# Altium PCB PCB1.PcbDoc (part 1 of 2)
Units mm, origin at the board's own origin, x right, y up, seen from the top; angles counter-clockwise.
Board outline 100.02 x 88.6 mm, 2 copper layers (Top Layer, Bottom Layer); 204 components, 155 nets, 587 pads, 167 vias.
Unrouted connection lines stored in the file: 67.
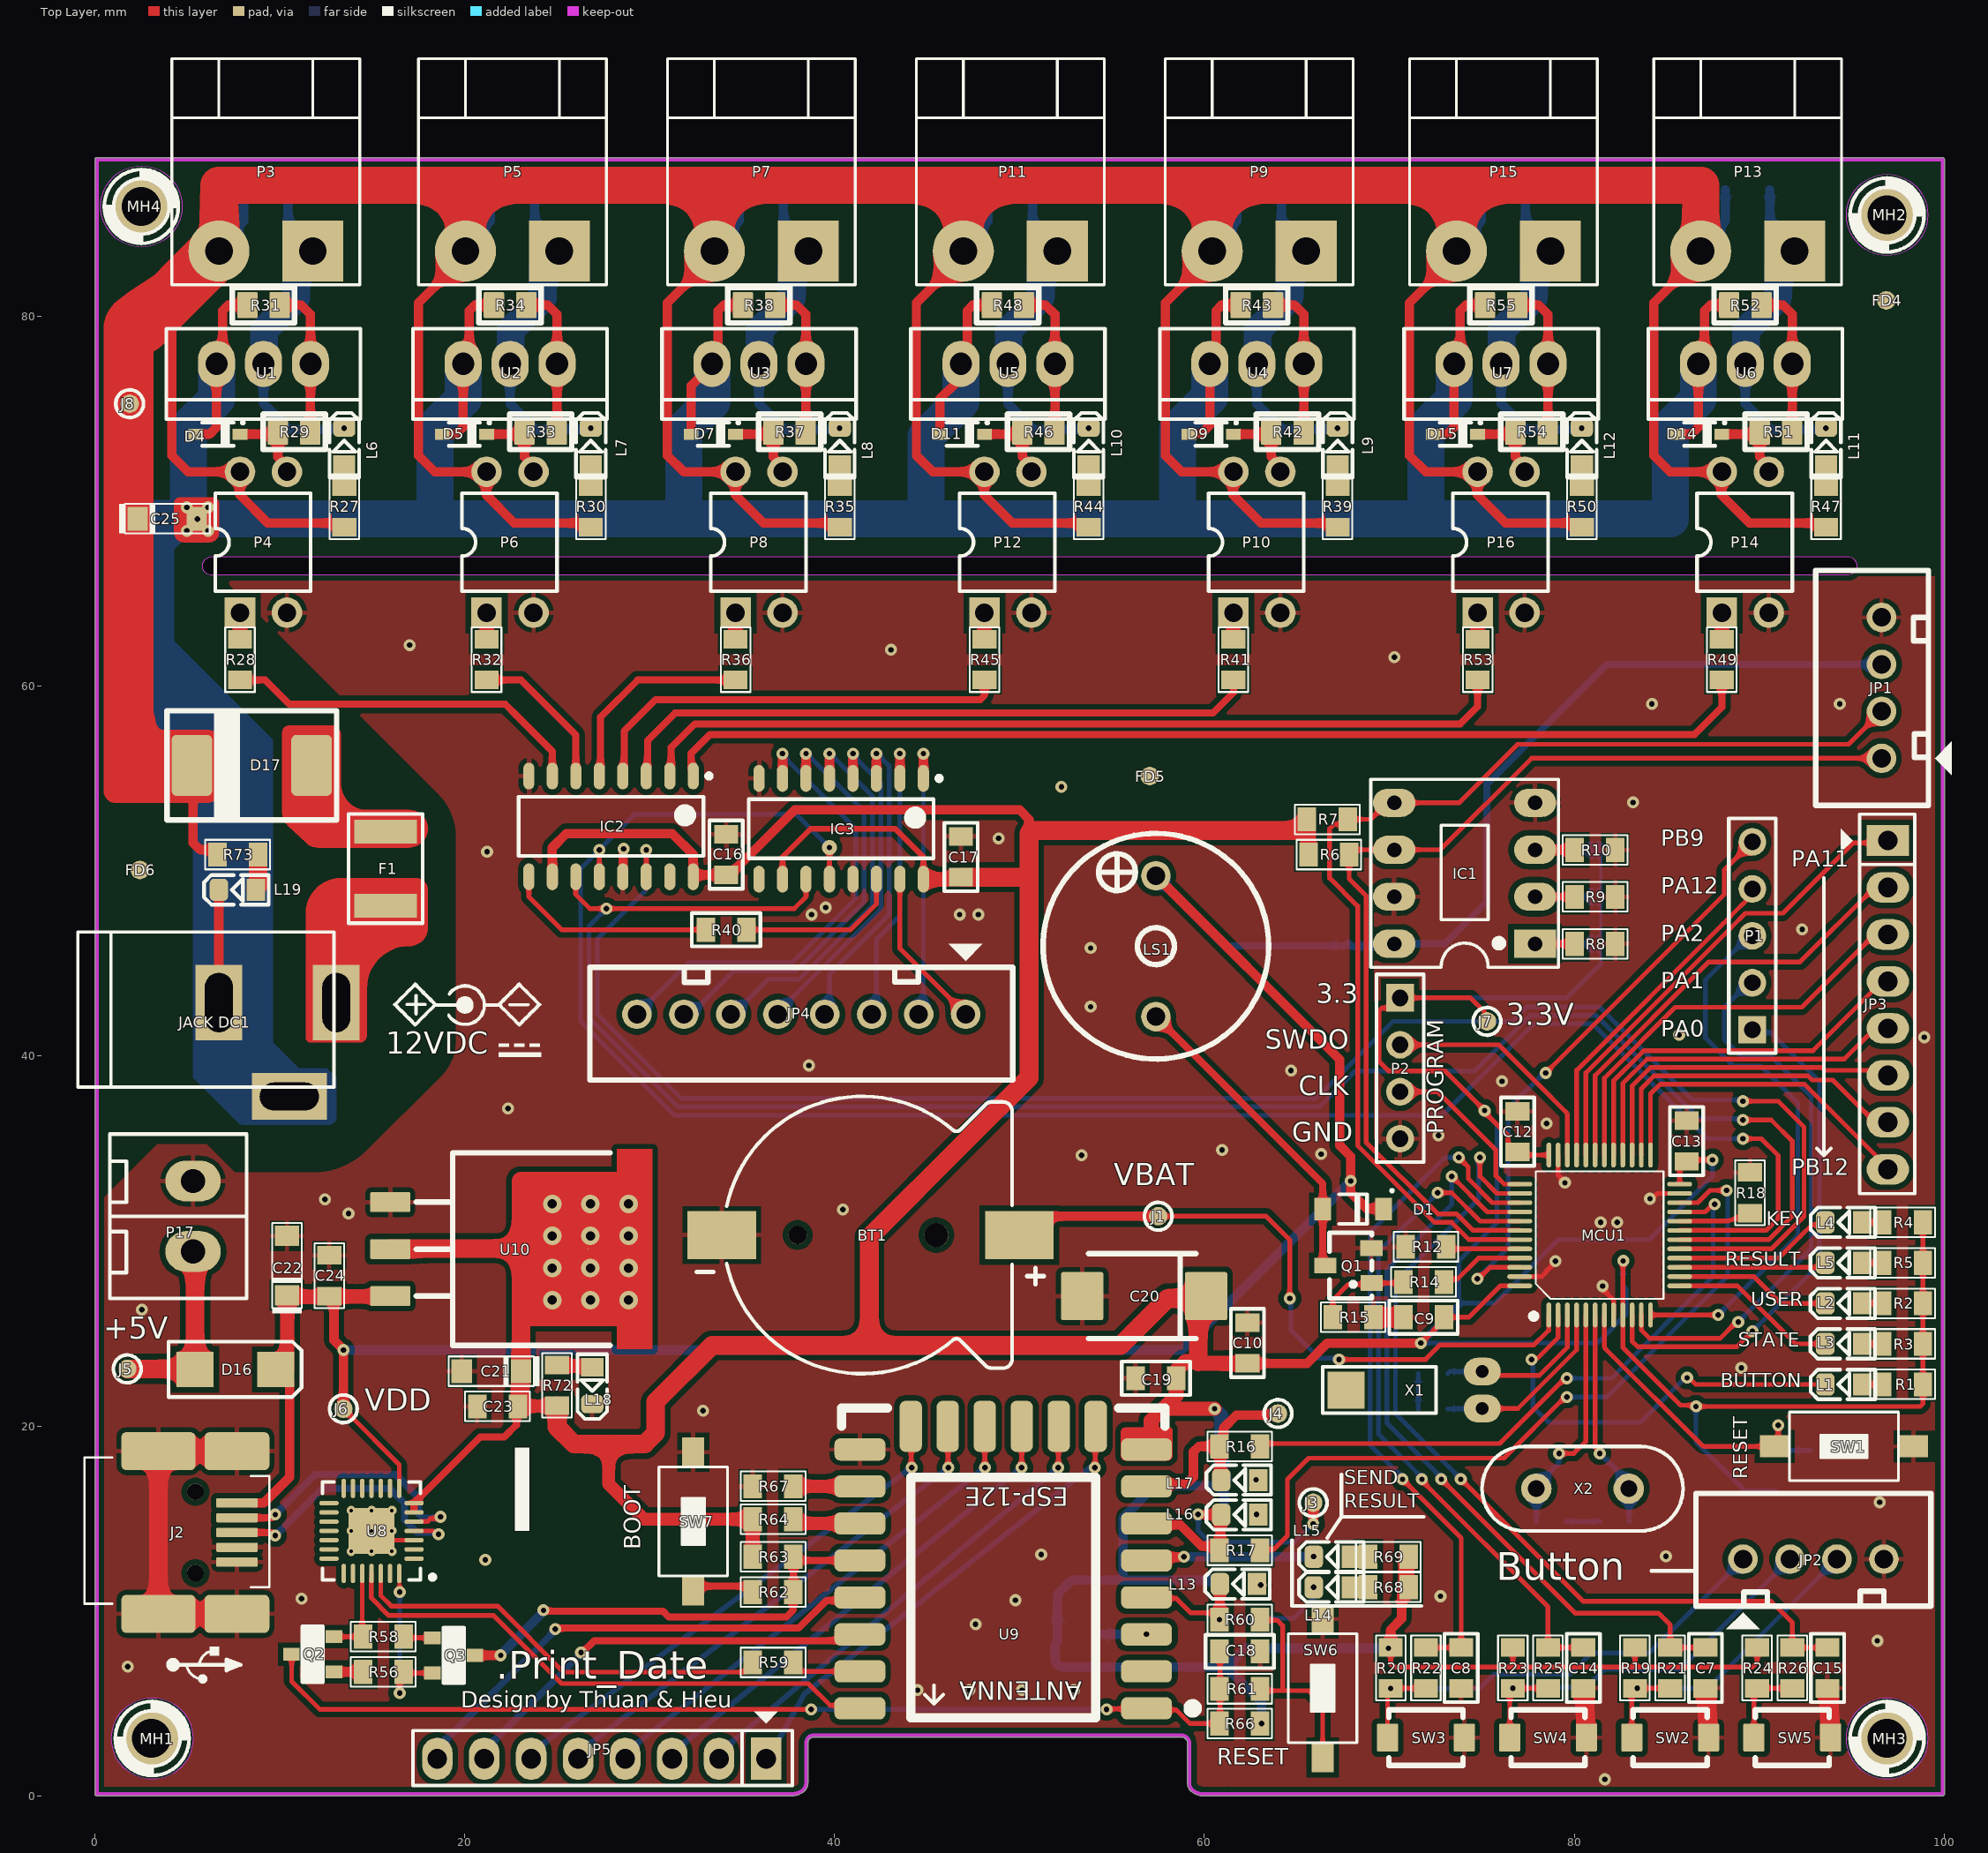
[diagram p0: Top Layer view]
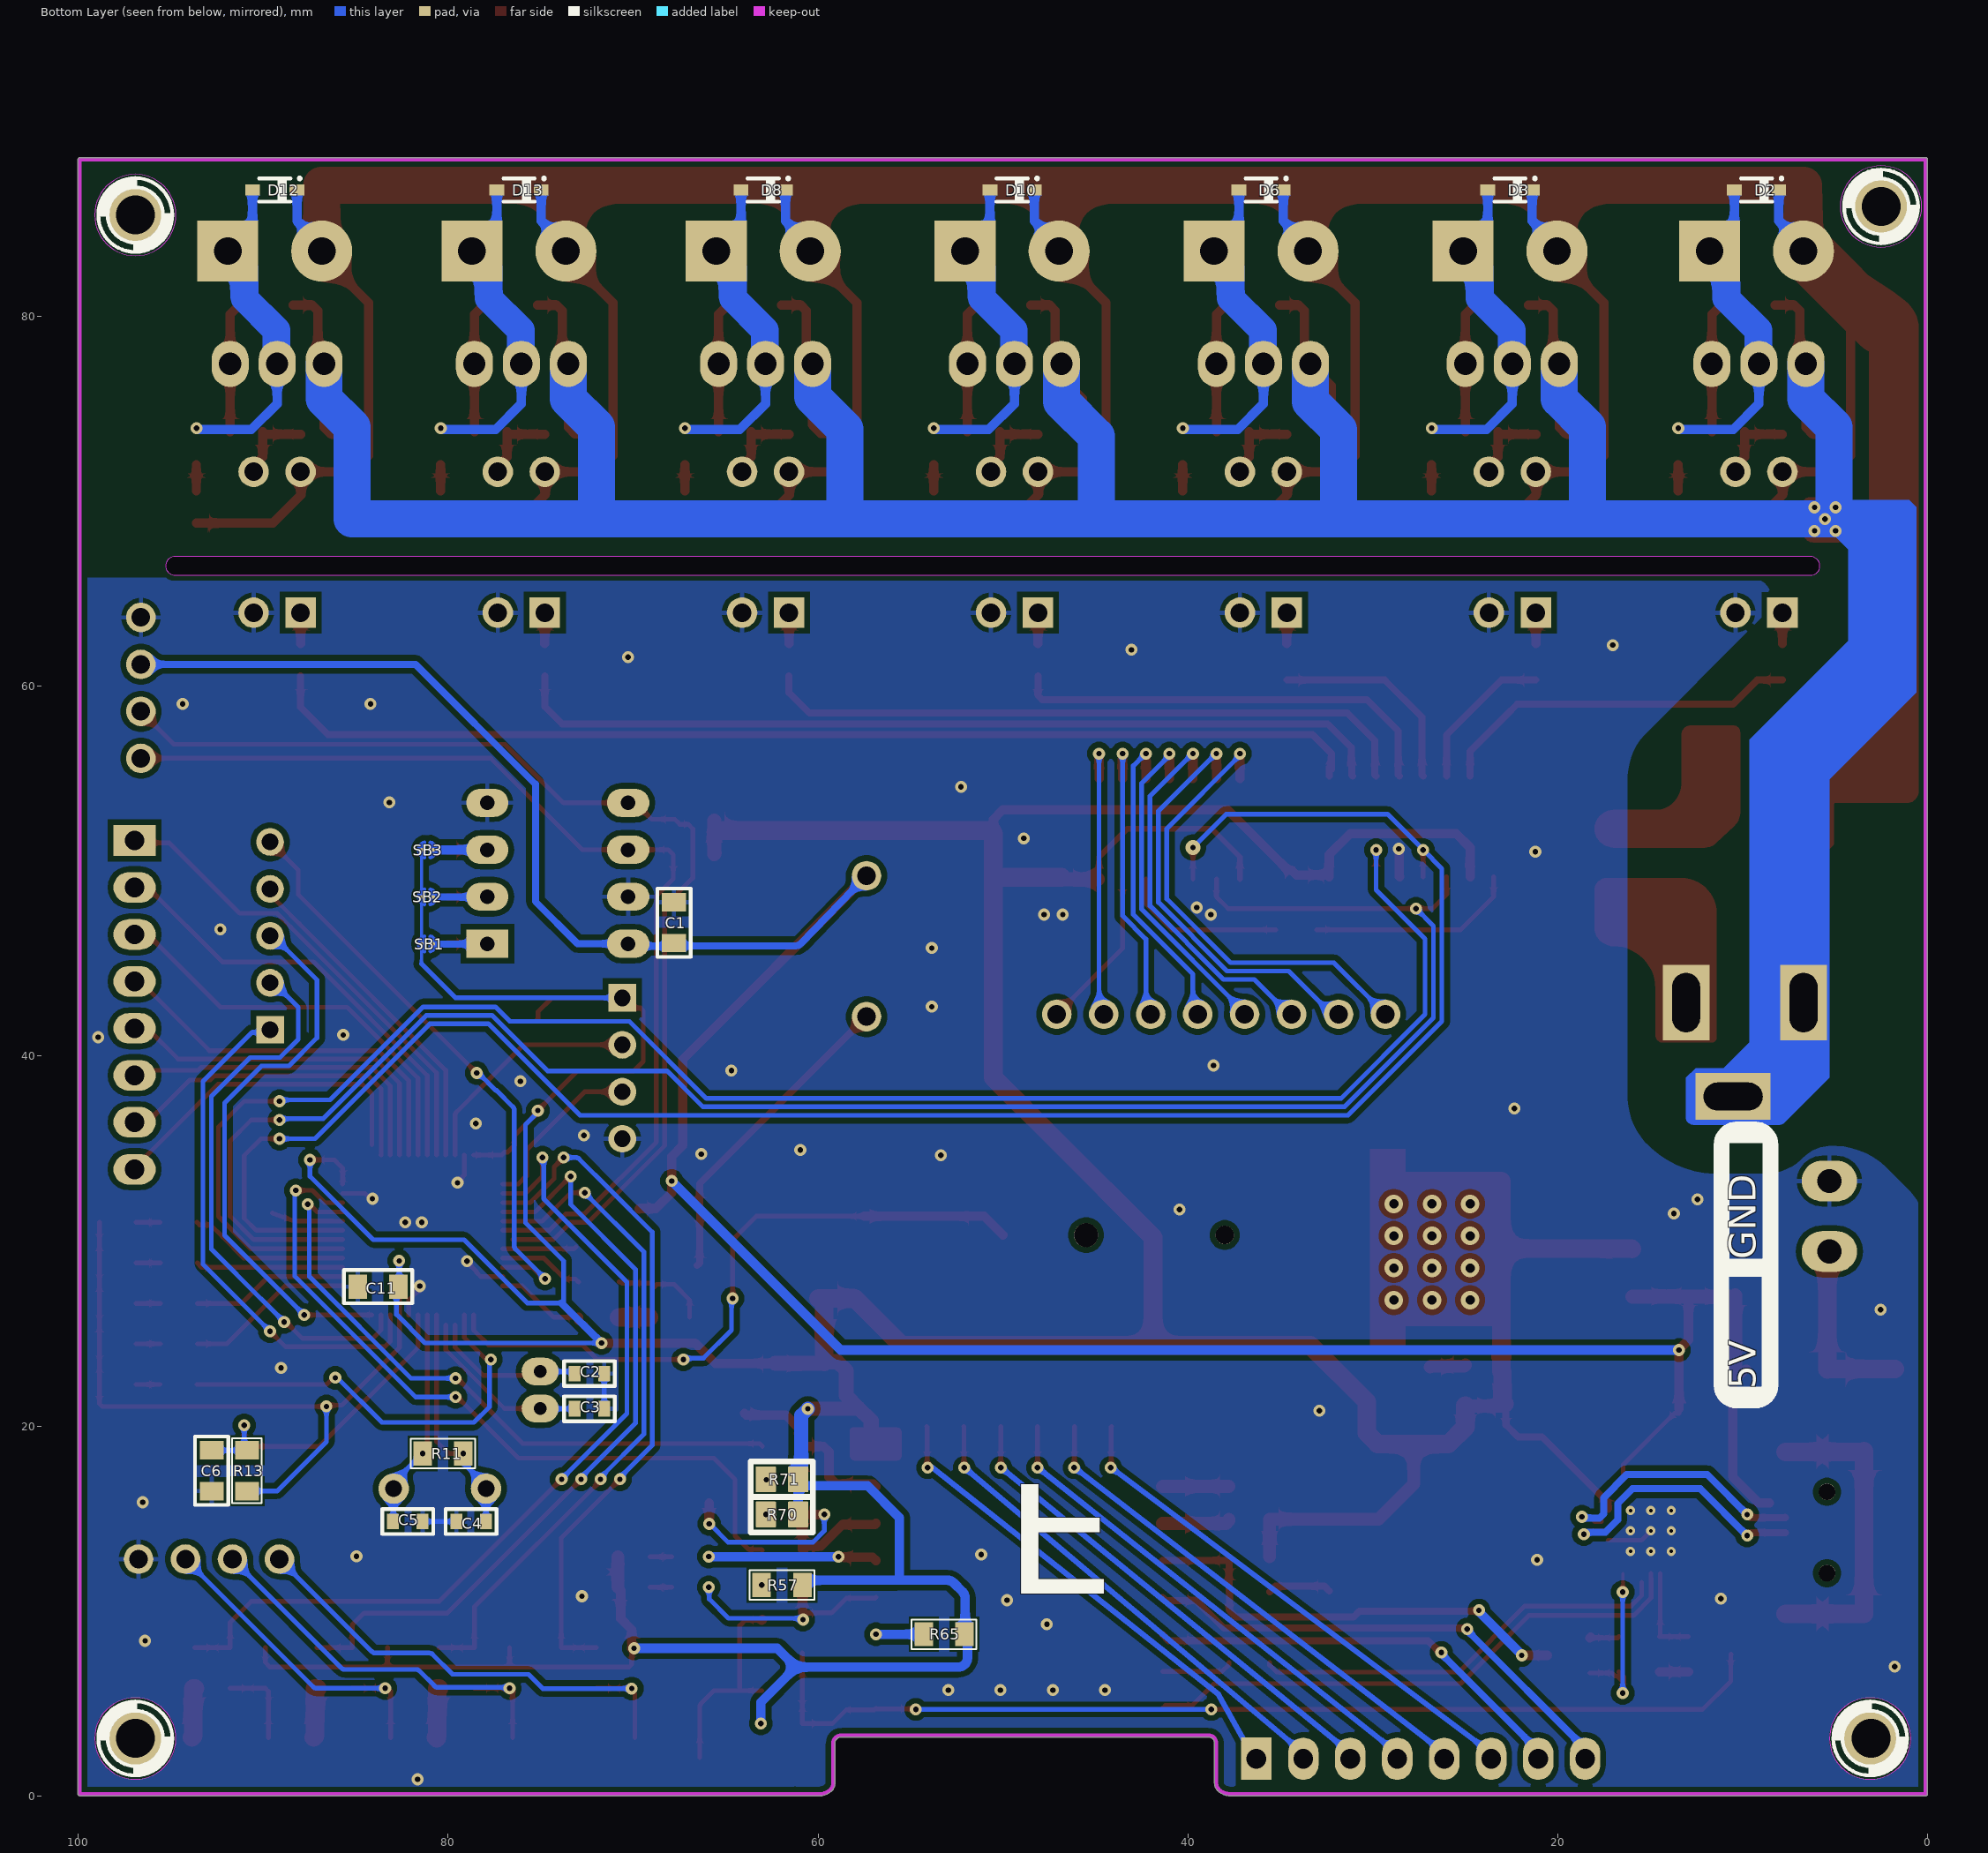
[diagram p1: Bottom Layer view, seen from below]
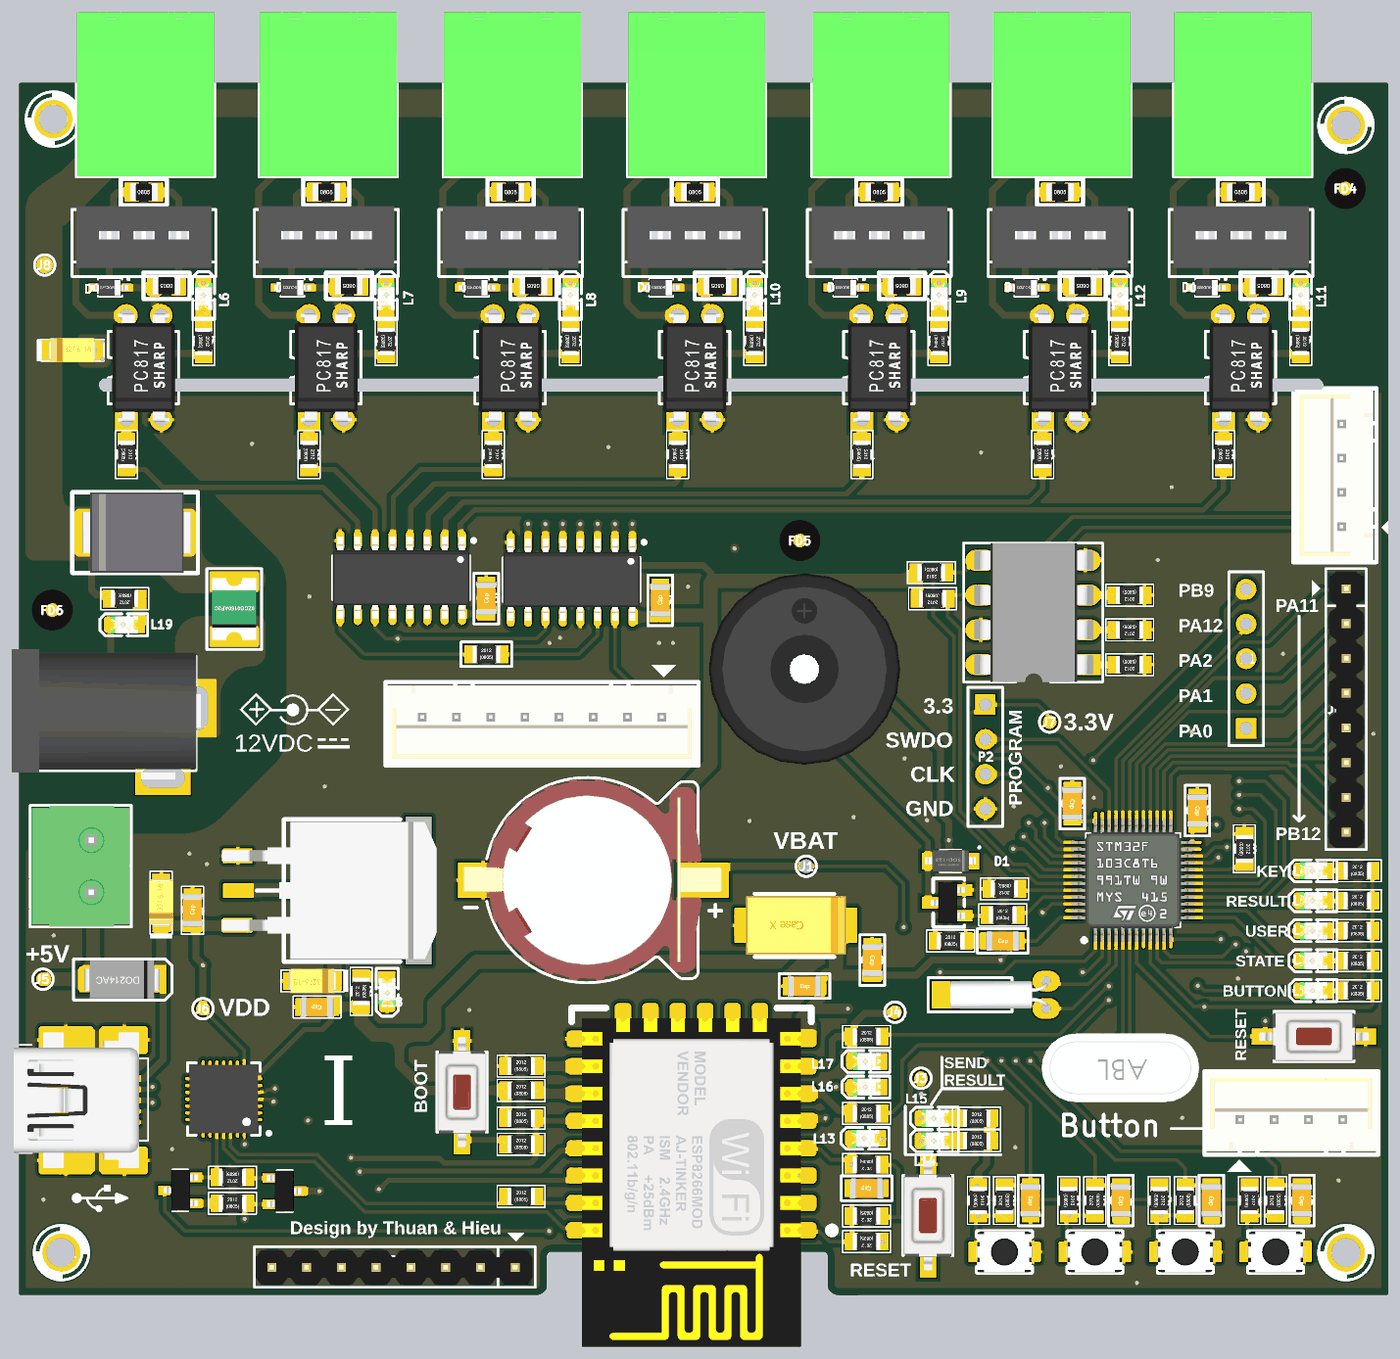
[diagram p3: 3D render of the assembled board from above, using the file's embedded part models]
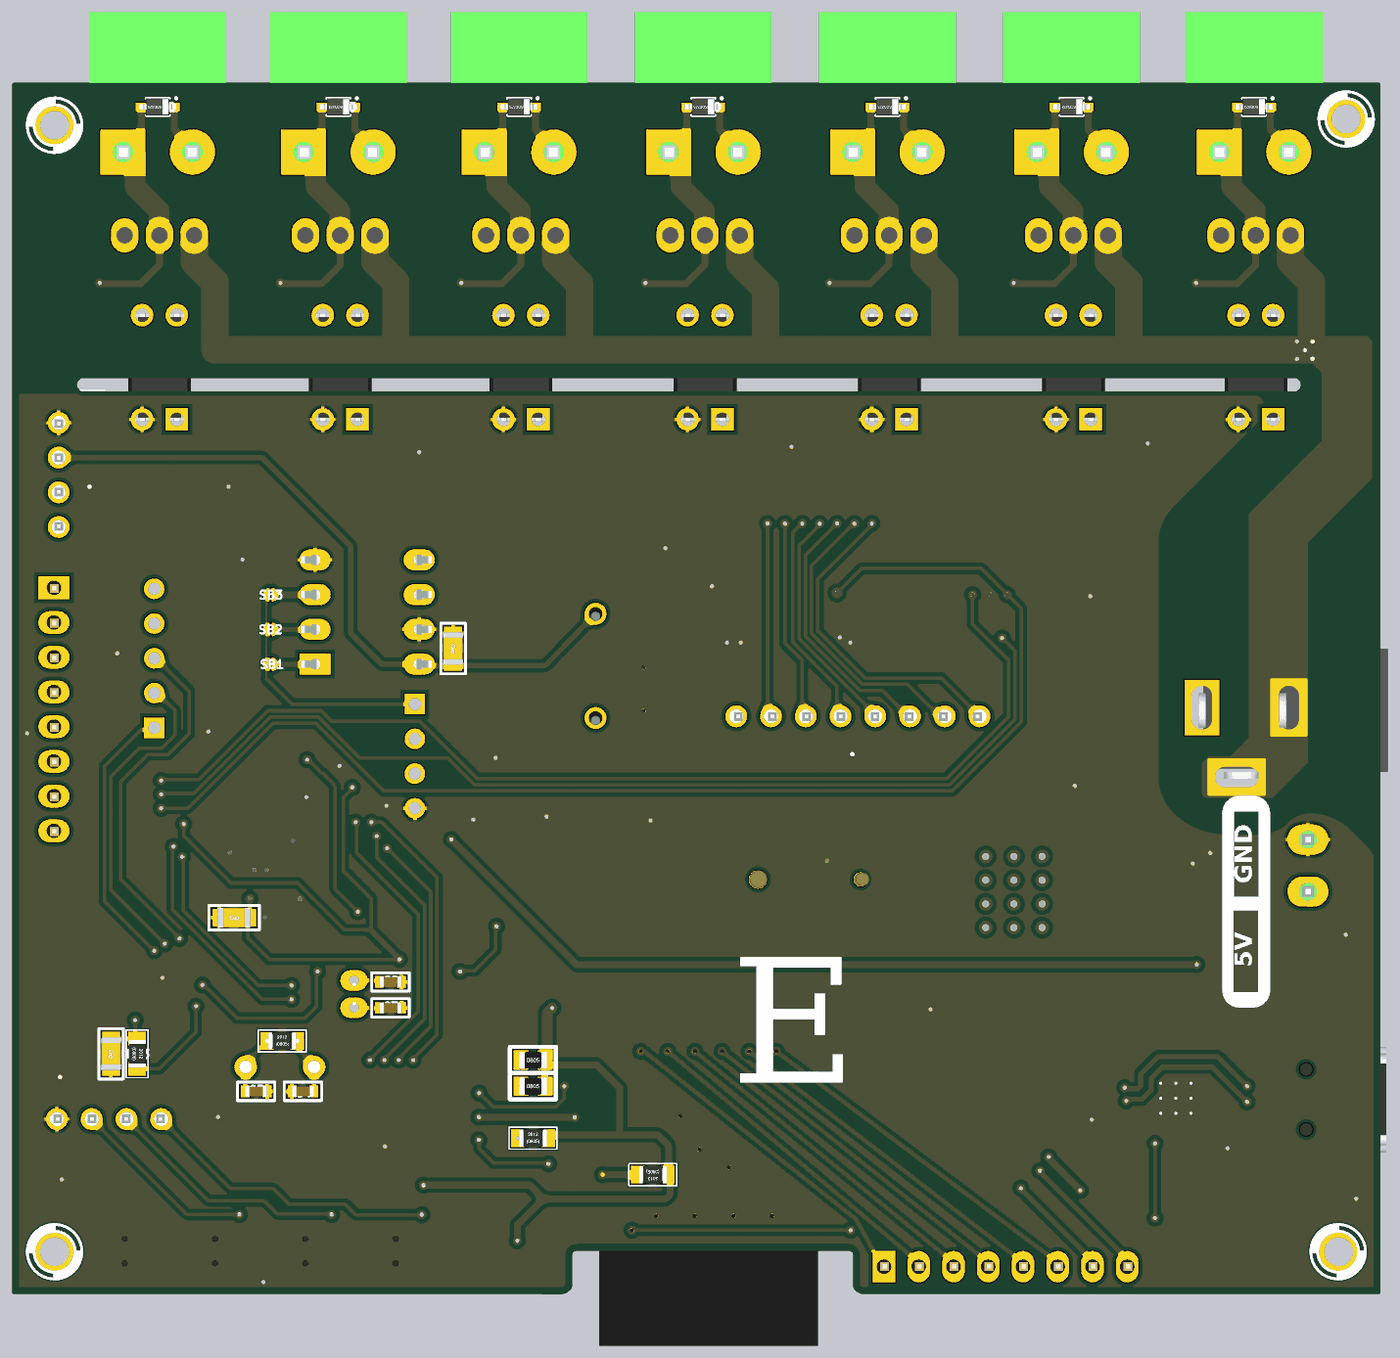
[diagram p4: 3D render of the assembled board from below, using the file's embedded part models]

## Layer stack, top to bottom
Top Solder: solder mask 0.0102, Solder Resist, Dk 3.5
Top Layer: signal copper 0.0356
Dielectric 1: dielectric 0.32, FR-4, Dk 4.8
Bottom Layer: signal copper 0.0356
Bottom Solder: solder mask 0.0102, Solder Resist, Dk 3.5

## Board outline
0,0.1 ccw(c0.1,0.1) 0.1,0 37.714,0 ccw(c37.714,0.968) 38.398,0.283 ccw(c38.02,0.661) 38.554,0.661 38.554,2.842 cw(c38.888,2.842) 38.652,3.077 cw(c38.888,2.842) 38.888,3.175 58.691,3.175 58.757,3.169 cw(c58.757,2.836) 58.993,3.071 cw(c58.757,2.836) 59.09,2.836 59.09,0.655 ccw(c59.624,0.655) 59.247,0.277 ccw(c59.931,0.962) 59.931,-0.006 61.278,-0.006 61.315,0 99.922,0 ccw(c99.922,0.1) 100.022,0.1 100.022,88.492 ccw(c99.922,88.492) 99.922,88.593 0.1,88.593 ccw(c0.1,88.492) 0,88.492
cut-out: 6.323,66.013 cw(c6.323,66.514) 6.323,67.014 94.779,67.014 cw(c94.779,66.514) 95.279,66.514 cw(c94.779,66.514) 94.779,66.013

## Design rules (kind name [scope] priority, off if disabled: settings)
Clearance clear_GND [InPolygon] p1: gap=0.3 ignorepadtopadclearanceinfootprint=FALSE
Clearance [All] p2: gap=0.254 ignorepadtopadclearanceinfootprint=TRUE except(0.2: Arc-Arc Arc-Track Arc-SMDPad Track-Track Track-SMDPad SMDPad-SMDPad)
DiffPairsRouting [All] p1: maxlimit=0.381 minlimit=0.381 mostfreqgap=0.381 toplayer_minwidth=0.152 toplayer_maxwidth=2.54 toplayer_prefwidth=0.152 bottomlayer_minwidth=0.152 bottomlayer_maxwidth=2.54 bottomlayer_prefwidth=0.152 maxuncoupledlength=12.7
PasteMaskExpansion [All] p1: expansion=-2539.975 usepaste=FALSE
PolygonConnect [All] p1: thpad.connectstyle=Relief thpad.reliefconductorwidth=0.254 thpad.reliefentries=4 thpad.polygonreliefangle="90 Angle" thpad.airgapwidth=0.254 smdpad.connectstyle=Relief smdpad.reliefconductorwidth=0.254 smdpad.reliefentries=4 smdpad.polygonreliefangle="90 Angle" smdpad.airgapwidth=0.254 via.connectstyle=Direct via.reliefconductorwidth=0.254 via.reliefentries=4 via.polygonreliefangle="90 Angle" via.airgapwidth=0.254
RoutingVias [All] p1: holewidth=0.305 width=0.61 viastyle="Through Hole" minholewidth=0.305 minwidth=0.61 maxholewidth=0.305 maxwidth=0.61
SilkToSolderMaskClearance [IsPad] p1: minsilkscreentomaskgap=0.254 clearancetoexposedcopper=FALSE
SolderMaskExpansion [All] p1: expansion=0.102 istentingtop=FALSE useseparateexpansions=TRUE expansionbottom=0.102 istentingbottom=FALSE
UnRoutedNet [All] p1: checkbadconnections=TRUE
Width [All] p1: maxlimit=3 minlimit=0.152 preferedwidth=0.254 checkconnectedcopper=TRUE
26 further rules are at their usual default settings.

## Classes and differential pairs
net class 7S_[1..8]: 7S_1 7S_2 7S_3 7S_4 7S_5 7S_6 7S_7 7S_8
component class Block_Diagram: C21 C22 C23 C24 C25 D16 D17 F1 J3 J4 J5 J6 J7 J8 "JACK DC1" L16 L17 L18 L19 MH1 MH2 MH3 MH4 P17 R70 R71 R72 R73 U10
net class K[1..8]: K1 K2 K3 K4 K5 K6 K7 K8
component class U_STM32F103C8T6: BT1 Button1 C1 C2 C3 C4 C5 C6 C7 C8 C9 C10 C11 C12 C13 C14 C15 D1 IC1 J1 JP1 JP2 JP3 L1 L2 L3 L4 L5 LS1 MCU1 P1 P2 Q1 R1 R2 R3 R4 R5 R6 R7 R8 R9 R10 R11 R12 R13 R14 R15 R16 R17 R18 R19 R20 R21 R22 R23 R24 R25 R26 SB1 SB2 SB3 SW1 SW2 SW4 X1 X2
component class U_LOAD: C16 C17 D2 D3 D4 D5 D6 D7 D8 D9 D10 D11 D12 D13 D14 D15 IC2 IC3 JP4 L6 L7 L8 L9 L10 L11 L12 P3 P4 P5 P6 P7 P8 P9 P10 P11 P12 P13 P14 P15 P16 R27 R28 R29 R30 R31 R32 R33 R34 R35 R36 R37 R38 R39 R40 R41 R42 R43 R44 R45 R46 R47 R48 R49 R50 R51 R52 R53 R54 R55 U1 U2 U3 U4 U5 U6 U7
component class U_ESP8266: C18 C19 C20 J2 JP5 L13 L14 L15 LED1 Q2 Q3 R56 R57 R58 R59 R60 R61 R62 R63 R64 R65 R66 R67 R68 R69 S1 SW4 SW6 U8 U9 VT1 VT2
differential pair D: +D_P -D_N

## Components (designator, comment, footprint, x,y, rotation, side; value= is the part's Value field where it differs from the comment)
BT1 "Battery" "CR1220_3V BATTERY HOLDER" 41.502,30.326 r0 top
C1 "104-0805" CAP0805 67.791,47.217 r270 bottom
C2 "20pF-0603" CAP0603 72.363,22.833 r0 bottom value=20pF
C3 "20pF-0603" CAP0603 72.363,20.928 r0 bottom value=20pF
C4 "20pF-0603" CAP0603 78.76,14.832 r180 bottom value=20pF
C5 "20pF-0603" CAP0603 82.189,14.832 r0 bottom value=20pF
C6 "105-0805" CAP0805 92.789,17.58 r270 bottom
C7 "105-0805" CAP0805 87.095,6.915 r270 top
C8 "105-0805" CAP0805 73.887,6.915 r270 top
C9 "104-0805" CAP0805 71.855,25.881 r0 top
C10 "104-0805" CAP0805 62.33,24.484 r270 top
C11 "104-0805" CAP0805 83.793,27.532 r180 bottom
C12 "104-0805" CAP0805 76.935,35.914 r270 top
C13 "104-0805" CAP0805 86.079,35.406 r270 top
C14 "105-0805" CAP0805 80.491,6.915 r270 top
C15 "105-0805" CAP0805 93.699,6.915 r270 top
C16 "104-0805" CAP0805 34.136,50.9 r90 top
C17 "104-0805" CAP0805 46.836,50.773 r90 top
C18 "104-0805" CAP0805 61.911,7.807 r180 top
C19 "104-0805" CAP0805 57.377,22.579 r0 top
C20 "100uF/25V/TANTA/2917/10%" "CAP TANT CASE X SMD" 56.742,27.024 r180 top
C21 "10uF-1206" CAP1206_TANTALUM_YELLOW 21.436,22.96 r180 top value=10uF
C22 "10uF-1206" CAP1206_TANTALUM_YELLOW 10.387,28.675 r90 top value=10uF
C23 "Cap" CAPC2012L 21.774,21.055 r180 top value=100pF
C24 "Cap" CAPC2012L 12.673,28.125 r90 top value=100pF
C25 "10uF-1206" CAP1206_TANTALUM_YELLOW 3.91,69.061 r0 top value=10uF
D1 "75V/0.15A" DIO-SOD123-1.35H 68.045,31.723 r0 top
D2 "75V/0.15A" DIO-SOD232-1.15H 9.244,86.841 r180 bottom
D3 "75V/0.15A" DIO-SOD232-1.15H 22.579,86.841 r180 bottom
D4 "75V/0.15A" DIO-SOD232-1.15H 6.647,73.633 r0 top
D5 "75V/0.15A" DIO-SOD232-1.15H 19.982,73.633 r0 top
D6 "75V/0.15A" DIO-SOD232-1.15H 36.041,86.841 r180 bottom
D7 "75V/0.15A" DIO-SOD232-1.15H 33.444,73.633 r0 top
D8 "75V/0.15A" DIO-SOD232-1.15H 62.965,86.841 r180 bottom
D9 "75V/0.15A" DIO-SOD232-1.15H 60.368,73.633 r0 top
D10 "75V/0.15A" DIO-SOD232-1.15H 49.503,86.841 r180 bottom
D11 "75V/0.15A" DIO-SOD232-1.15H 46.906,73.633 r0 top
D12 "75V/0.15A" DIO-SOD232-1.15H 89.381,86.841 r180 bottom
D13 "75V/0.15A" DIO-SOD232-1.15H 76.173,86.841 r180 bottom
D14 "75V/0.15A" DIO-SOD232-1.15H 86.784,73.633 r0 top
D15 "75V/0.15A" DIO-SOD232-1.15H 73.576,73.633 r0 top
D16 "SS14" "DIODE SMD" 7.593,22.96 r180 top
D17 "SS54" DO-214AB/SMC 8.482,55.726 r180 top
F1 "15V 0.5A" FUSE_PTC_SMD1812_02 15.721,50.138 r90 top
FD4 "Fiducial" FIDUCIAL_TOP 96.874,80.872 r0 top
FD5 "Fiducial" FIDUCIAL_TOP 57.042,55.149 r0 top
FD6 "Fiducial" FIDUCIAL_TOP 2.432,50.069 r0 top
IC1 "24C02" DIP8/W0.3 77.886,46.081 r90 top value=24Cxx
IC2 "74HC595" HC595_SOP127P600X175-16N 27.913,52.424 r270 top
IC3 "74HC595" HC595_SOP127P600X175-16N 40.359,52.297 r270 top
J1 "TP" TEST_POINT_1.0X1.0MM#1 57.504,31.342 r0 top
J2 "USB_Mini-B" USB_Mini-B_Molex_SMT 5.559,14.238 r270 top
J3 "TP" TEST_POINT_1.0X1.0MM#2 65.886,15.848 r0 top
J4 "TP" TEST_POINT_1.0X1.0MM#2 63.981,20.674 r0 top
J5 "TP" TEST_POINT_1.0X1.0MM#2 1.751,23.087 r0 top
J6 "TP" TEST_POINT_1.0X1.0MM#2 13.435,20.928 r0 top
J7 "TP" TEST_POINT_1.0X1.0MM#2 75.284,41.883 r0 top
J8 "TP" TEST_POINT_1.0X1.0MM#2 1.878,75.284 r0 top
"JACK DC1" "JACK DC 5.5" "JACK DC 5.5" 9.879,40.359 r0 top value="Jac DC"
JP1 "v" CON4 96.62,59.917 r90 top value="Connector 4"
JP2 "JP4" CON4 92.937,12.8 r0 top value="Connector 4"
JP3 "KeyPad" JP8 96.965,51.662 r270 top value=JP7
JP4 "JP8" CON8 38.2,42.264 r180 top value="Connector 8"
JP5 "header" JP8 36.295,2.005 r180 top value=JP7
L1 "LED 0805" LED-RED-0805 95.58,22.248 r180 top
L2 "LED 0805" LED-RED-0805 95.574,26.63 r180 top
L3 "LED 0805" LED-RED-0805 95.574,24.439 r180 top
L4 "LED 0805" LED-RED-0805 95.58,31.011 r180 top
L5 "LED 0805" LED-RED-0805 95.574,28.821 r180 top
L6 "LED 0805" LED-GREEN-0805 13.485,71.99 r90 top
L7 "LED 0805" LED-GREEN-0805 26.82,71.99 r90 top
L8 "LED 0805" LED-GREEN-0805 40.282,71.99 r90 top
L9 "LED 0805" LED-GREEN-0805 67.206,71.99 r90 top
L10 "LED 0805" LED-GREEN-0805 53.744,71.99 r90 top
L11 "LED 0805" LED-GREEN-0805 93.622,71.99 r90 top
L12 "LED 0805" LED-GREEN-0805 80.414,71.99 r90 top
L13 "LED 0805" LED-GREEN-0805 62.838,11.453 r180 top
L14 "LED 0805" LED-RED-0805 67.918,11.276 r180 top
L15 "LED 0805" LED-RED-0805 67.918,12.927 r180 top
L16 "LED 0805" LED-RED-0805 62.913,15.2 r180 top
L17 "LED 0805" LED-RED-0805 62.913,17.073 r180 top
L18 "LED 0805" LED-RED-0805 26.897,23.182 r270 top
L19 "LED 0805" LED-GREEN-0805 8.704,48.995 r180 top
LS1 "SPEAKER" SPEAKER 57.377,49.757 r270 top
MCU1 "https://www.st.com/resource/en/datasheet/stm32f103c8.pdf" LQFP48_L 81.38,30.326 r0 top
MH1 "MH_3MMC_2.1MMD" MH_3MMD_2.1MMD#1 3.1,3.1 r0 top
MH2 "MH_3MMC_2.1MMD" MH_3MMD_2.1MMD#2 96.922,85.492 r0 top
MH3 "MH_3MMC_2.1MMD" MH_3MMD_2.1MMD#2 96.922,3.1 r0 top
MH4 "MH_3MMC_2.1MMD" MH_3MMD_2.1MMD#2 2.513,85.952 r0 top
P1 "Header 5P" HDR1X5 89.635,41.427 r90 top
P2 "Connector" HDR1X4 70.585,43.153 r270 top
P3 "HEADER 2" HT508R-2P 11.784,83.539 r180 top
P4 "PC817" DIP-4 9.117,67.791 r90 top
P5 "HEADER 2" HT508R-2P 25.119,83.539 r180 top
P6 "PC817" DIP-4 22.452,67.791 r90 top
P7 "HEADER 2" HT508R-2P 38.581,83.539 r180 top
P8 "PC817" DIP-4 35.914,67.791 r90 top
P9 "HEADER 2" HT508R-2P 65.505,83.539 r180 top
P10 "PC817" DIP-4 62.838,67.791 r90 top
P11 "HEADER 2" HT508R-2P 52.043,83.539 r180 top
P12 "PC817" DIP-4 49.376,67.791 r90 top
P13 "HEADER 2" HT508R-2P 91.921,83.539 r180 top
P14 "PC817" DIP-4 89.254,67.791 r90 top
P15 "HEADER 2" HT508R-2P 78.713,83.539 r180 top